# Altium PCB 10515.0462_全联供主板_V1.0.PcbDoc (part 5 of 5)
Units mm, origin at the board's own origin, x right, y up, seen from the top; angles counter-clockwise.
Board outline 141 x 198 mm, 2 copper layers (Top Layer, Bottom Layer); 179 components, 149 nets, 591 pads, 450 vias.
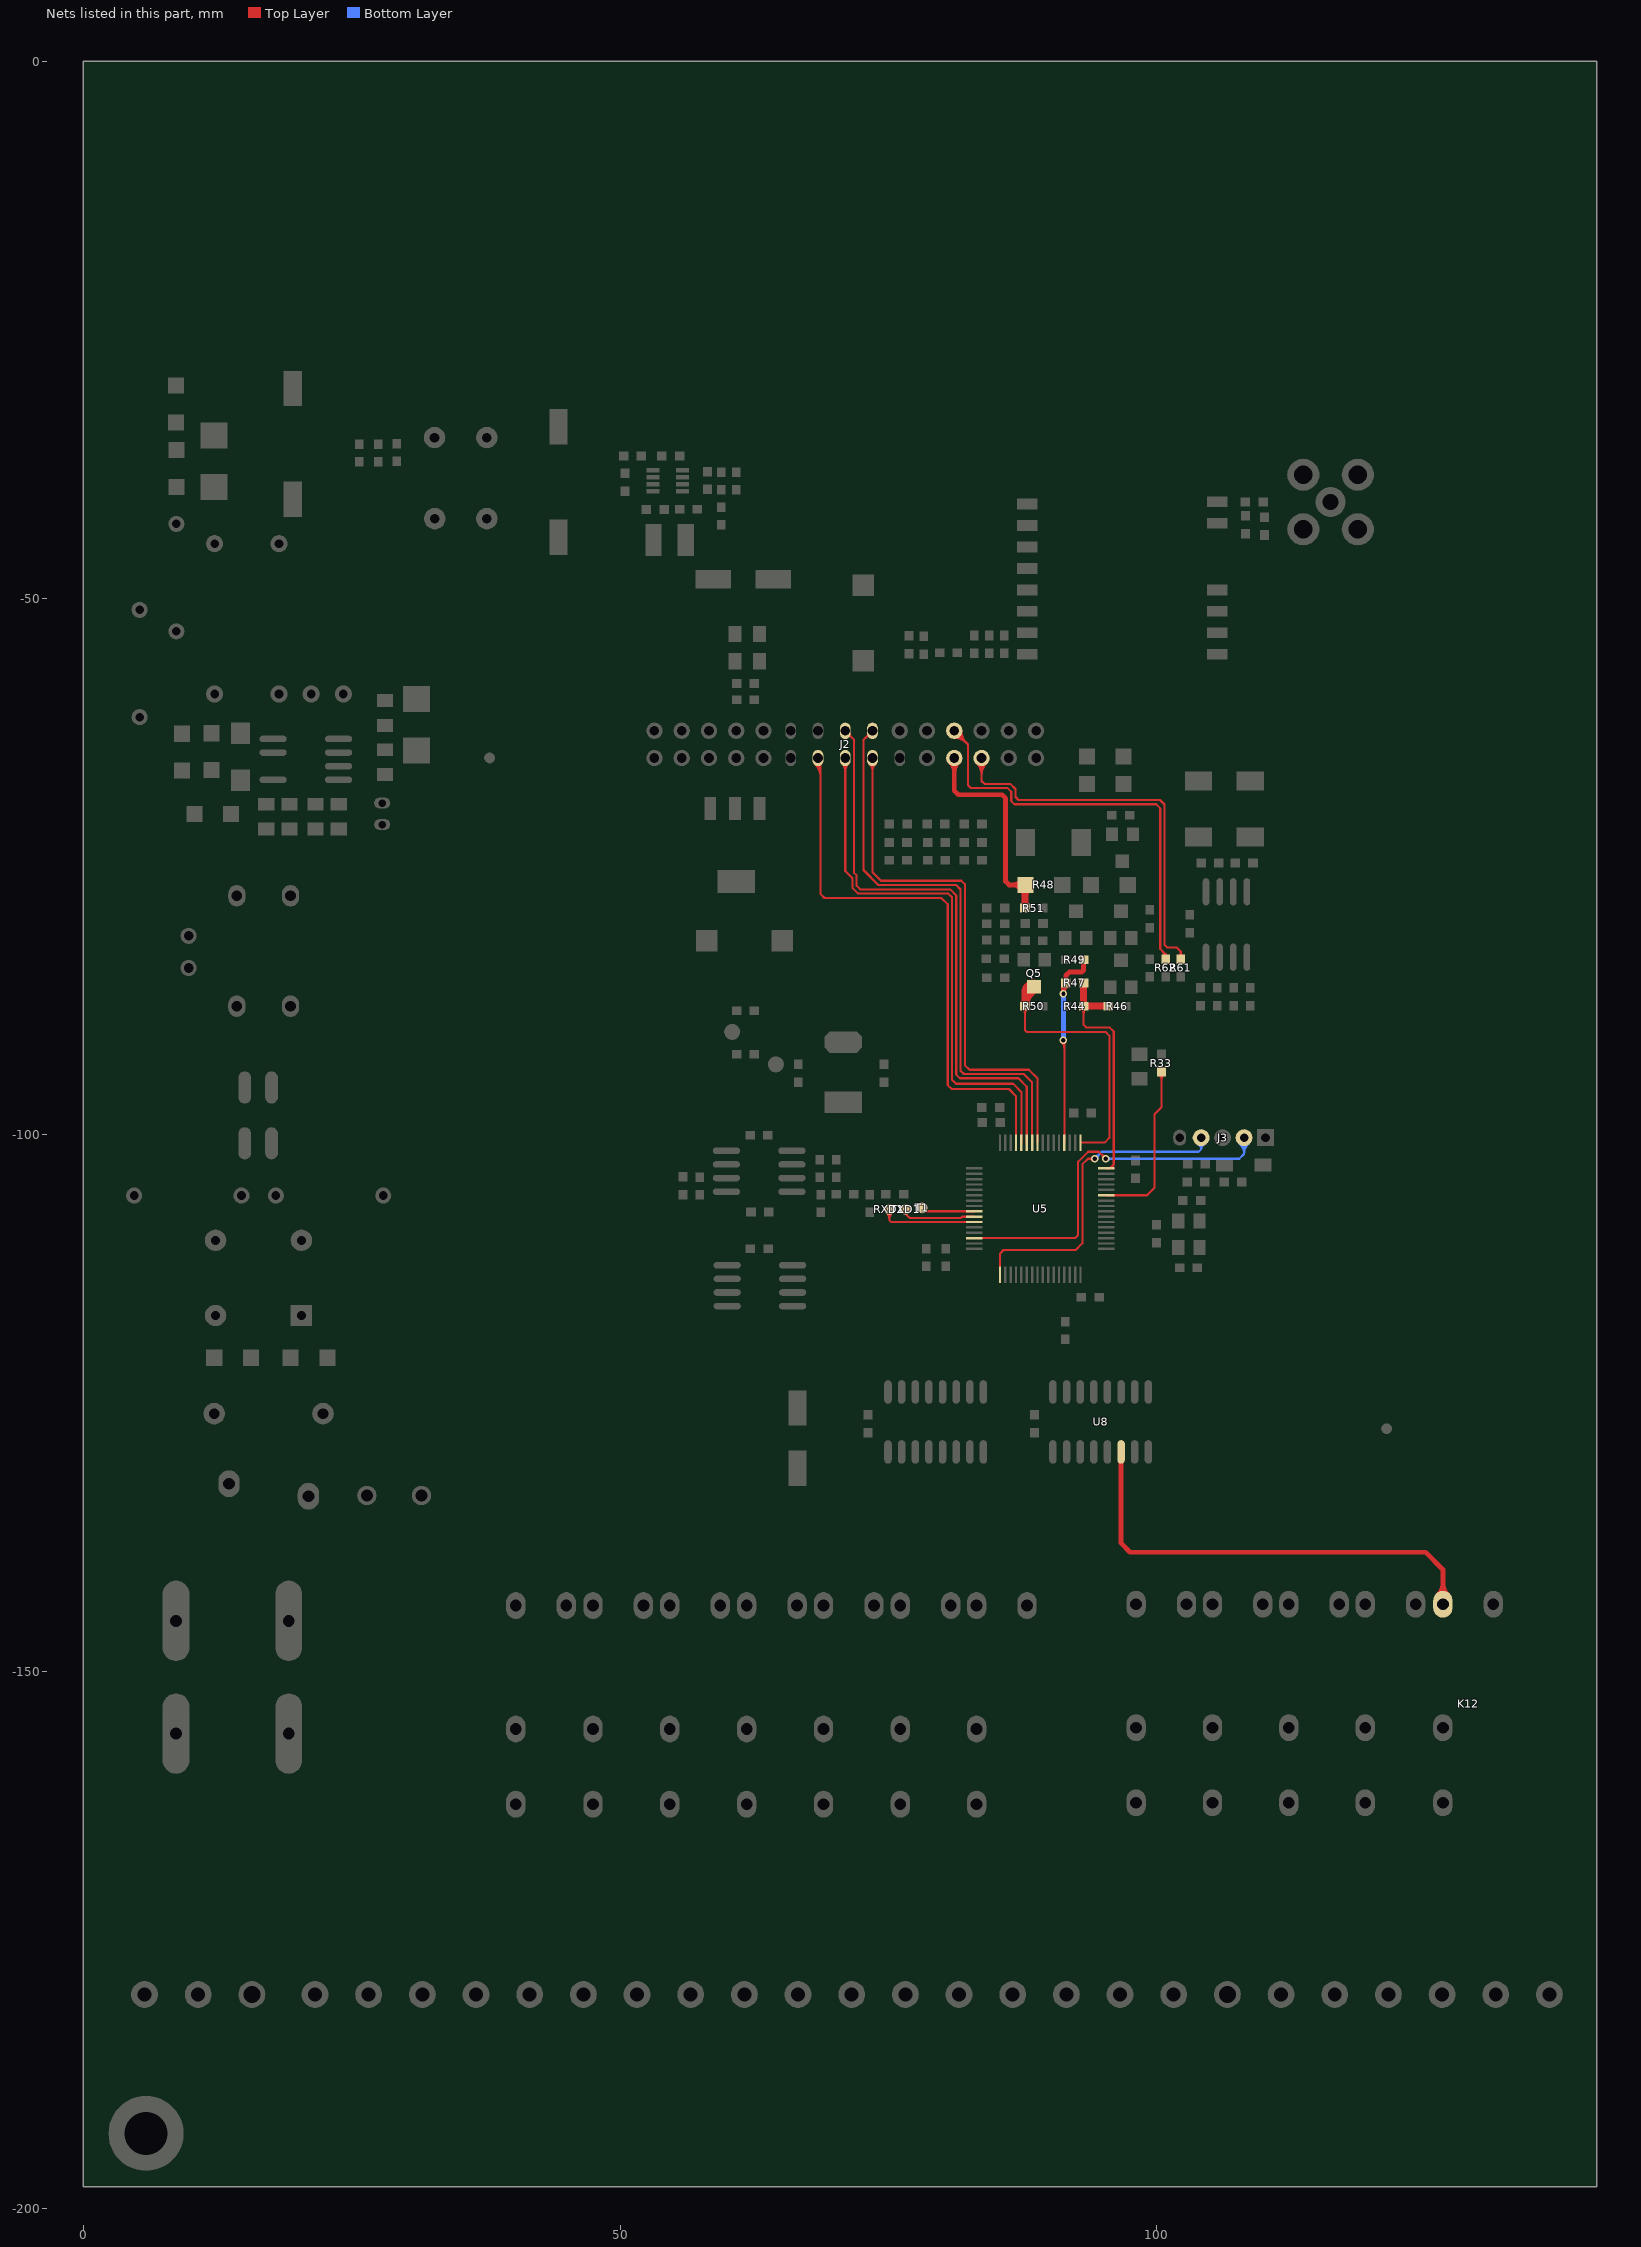
[diagram p5: the nets of this part, all layers, seen from the top]

## Via types
v1: diameter 0.7, hole 0.4, Top Layer to Bottom Layer, tented both sides, 450 vias

## Nets (pads, with @x,y where several pads share a name; then routed paths per layer and width w, separated by ;. In a path a pad name is that pad's centre, name@x,y a point inside that pad or via, vN(x,y) a via of type N, cw(c..) or ccw(c..) an arc to the next point about the centre after c; other vN are vias at no path point) (continued)
RUNLED: R33.1 U5.11 | length 17
  Top Layer w0.2: U5.11@95.293,-105.634 99.09,-105.634 99.803,-104.921 99.803,-98.063 100.437,-97.429 R33.1@100.437,-94.145 ; R33.1@100.22,-94.399 cw(c99.697,-94.922) 100.437,-94.922 cw(c101.177,-94.922) R33.1@100.654,-94.399
RXD1: RXD1.1 U5.43 | length 10.5
  Top Layer w0.2: RXD1.1@74.808,-107.228 cw(c74.125,-107.911) 75.091,-107.911 cw(c76.057,-107.911) RXD1.1@75.374,-107.228 ; RXD1.1@75.091,-106.945 75.091,-107.961 75.275,-108.145 82.982,-108.145 U5.43@82.993,-108.134
RXD2: Q5.3 R50.1 U5.17 | length 33.4
  Top Layer w0.2: R50.1@87.511,-88.239 cw(c86.988,-88.762) 87.727,-88.762 cw(c88.467,-88.762) R50.1@87.944,-88.239 ; R50.1@87.727,-88.022 87.727,-90.267 87.884,-90.424 95.25,-90.424 95.589,-90.763 95.589,-100.29 95.145,-100.734 U5.17@92.893,-100.734
  Top Layer w0.65: R50.1@87.727,-88.208 cw(c89.736,-88.208) Q5.3@88.725,-86.472 ; R50.1@87.727,-88.022 87.727,-87.046 Q5.3@88.569,-86.204 ; 87.727,-87.394 cw(c88.608,-87.394) Q5.3@88.579,-86.514 ; 87.727,-87.077 cw(c89.077,-87.077) Q5.3@88.398,-85.911 ; 87.727,-86.723 cw(c88.586,-86.723) Q5.3@88.558,-85.865 ; Q5.3@88.259,-86.204 cw(c87.51,-86.204) 88.04,-86.734 cw(c88.569,-87.263) Q5.3@88.569,-86.514
RXD4: J2.24 R62.2 | length 45.2
  Top Layer w0.2: J2.24@81.142,-63.03 cw(c81.142,-64.629) 82.272,-63.499 cw(c83.402,-62.368) J2.24@81.804,-62.368 ; J2.24@81.142,-62.83 cw(c81.142,-63.946) 81.931,-63.157 cw(c82.719,-62.368) J2.24@81.604,-62.368 ; J2.24@81.142,-62.368 82.423,-63.65 82.423,-67.437 82.696,-67.71 86.106,-67.71 86.444,-68.048 86.444,-68.918 86.741,-69.215 99.949,-69.215 100.33,-69.596 100.33,-82.677 100.838,-83.185 ; 100.429,-82.776 cw(c99.69,-83.515) R62.2@100.732,-83.595 ; 100.736,-83.083 cw(c100.261,-83.559) R62.2@100.931,-83.61 ; R62.2@100.746,-83.311 ccw(c100.706,-83.185) 100.838,-83.185 ; R62.2@100.838,-83.629 100.838,-83.185 ; R62.2@100.93,-83.311 cw(c100.97,-83.185) 100.838,-83.185
SW1: J2.17 U5.25 | length 51.3
  Top Layer w0.2: J2.17@73.239,-65.453 cw(c72.556,-66.136) 73.522,-66.136 cw(c74.488,-66.136) J2.17@73.805,-65.453 ; J2.17@73.522,-64.908 73.522,-75.554 74.306,-76.338 81.799,-76.338 82.124,-76.663 82.124,-93.516 82.55,-93.942 88.081,-93.942 88.893,-94.753 U5.25@88.893,-100.734
SW2: J2.18 U5.26 | length 53.7
  Top Layer w0.2: 72.833,-63.057 cw(c73.399,-63.623) J2.18@73.497,-62.829 ; 73.024,-62.866 ccw(c72.789,-62.63) J2.18@73.122,-62.63 ; J2.18@73.522,-62.368 72.674,-63.216 72.674,-75.341 74.071,-76.738 81.31,-76.738 81.724,-77.152 81.724,-94.024 82.042,-94.342 87.6,-94.342 88.393,-95.134 U5.26@88.393,-100.734
SW3: J2.15 U5.28 | length 52.2
  Top Layer w0.2: J2.15@70.699,-65.453 cw(c70.016,-66.136) 70.982,-66.136 cw(c71.948,-66.136) J2.15@71.265,-65.453 ; J2.15@70.982,-64.908 70.982,-75.427 71.643,-76.088 71.643,-76.977 72.204,-77.538 80.586,-77.538 80.924,-77.876 80.924,-94.869 81.305,-95.25 86.619,-95.25 87.393,-96.023 U5.28@87.393,-100.734
SW4: J2.16 U5.27 | length 54.4
  Top Layer w0.2: J2.16@70.982,-62.368 71.782,-63.168 71.782,-75.58 72.043,-75.841 72.043,-76.811 72.37,-77.138 80.752,-77.138 81.324,-77.71 81.324,-94.405 81.661,-94.742 87.119,-94.742 87.893,-95.515 U5.27@87.893,-100.734 ; J2.16@71.016,-62.828 cw(c71.136,-63.53) 71.639,-63.026 ; J2.16@71.382,-62.63 ccw(c71.715,-62.63) 71.479,-62.866
SW5: J2.13 U5.29 | length 56.1
  Top Layer w0.2: J2.13@68.159,-65.453 cw(c66.872,-66.74) 68.692,-66.74 ; J2.13@68.3,-65.312 cw(c67.355,-66.257) 68.692,-66.257 ; J2.13@68.442,-65.17 cw(c67.838,-65.774) 68.692,-65.774 ; J2.13@68.442,-64.908 68.692,-65.159 68.692,-77.582 69.048,-77.938 79.935,-77.938 80.524,-78.527 80.524,-95.377 80.534,-95.377 80.899,-95.742 86.23,-95.742 86.893,-96.404 U5.29@86.893,-100.734
SWCLK: J3.4 U5.49 | length 33
  Top Layer w0.2: U5.49@85.393,-113.034 85.393,-111.076 85.725,-110.744 92.456,-110.744 93.076,-110.124 93.076,-102.758 93.599,-102.235 v1(94.234,-102.235) ; v1@94.057,-102.412 ccw(c93.63,-102.839) 93.63,-102.235 ccw(c93.63,-101.631) v1@94.057,-102.058
  Bottom Layer w0.2: v1(94.234,-102.235) 94.884,-101.585 103.901,-101.585 104.136,-101.35 ; v1@94.234,-101.985 ccw(c94.234,-101.381) 94.661,-101.808 ccw(c95.088,-102.235) v1@94.484,-102.235 ; J3.4@103.846,-100.894 cw(c103.633,-101.35) 104.136,-101.35 ; J3.4@104.136,-100.398 104.136,-101.35 ; J3.4@104.426,-100.894 ccw(c104.639,-101.35) 104.136,-101.35
SWDIO: J3.2 U5.46 | length 39.8
  Top Layer w0.2: U5.46@82.993,-109.634 92.389,-109.634 92.676,-109.347 92.676,-102.523 93.614,-101.585 94.6,-101.585 v1(95.25,-102.235) ; v1@95,-102.235 ccw(c94.396,-102.235) 94.823,-101.808 ccw(c95.25,-101.381) v1@95.25,-101.985
  Bottom Layer w0.2: v1@95.427,-102.412 cw(c95.854,-102.839) 95.854,-102.235 cw(c95.854,-101.631) v1@95.427,-102.058 ; v1@95.534,-102.235 107.696,-102.235 108.136,-101.795 ; J3.2@107.681,-100.787 cw(c106.791,-101.795) 108.136,-101.795 ; J3.2@107.813,-100.637 cw(c107.182,-101.352) 108.136,-101.352 cw(c109.089,-101.352) J3.2@108.458,-100.637 ; J3.2@108.136,-100.398 108.136,-101.795 ; J3.2@108.591,-100.787 ccw(c109.481,-101.795) 108.136,-101.795
TEST: T1.1 U5.41 | length 4.7
  Top Layer w0.2: T1.1@78.328,-107.134 U5.41@82.993,-107.134
TRCTL2: R47.2 R49.2 U5.20 | length 21.9
  Top Layer w0.2: v1@91.123,-91.363 cw(c90.472,-92.014) 91.393,-92.014 ; v1@91.265,-91.221 cw(c90.955,-91.531) 91.393,-91.531 ; U5.20@91.393,-100.734 v1@91.393,-91.279 ; 91.393,-91.565 cw(c91.679,-91.565) v1@91.477,-91.363 ; R47.2@91.393,-85.863 R47.2@91.393,-85.754
  Top Layer w0.45: v1(91.313,-86.868) 91.313,-86.088 R47.2@91.537,-85.863 91.537,-85.165 91.855,-84.847 92.998,-84.847 93.188,-84.657 R49.2@93.188,-83.704 ; v1@91.313,-86.751 cw(c92.387,-86.751) R47.2@91.628,-85.992 ; R47.2@91.409,-85.735 ccw(c91.099,-85.425) 91.537,-85.425 ccw(c91.975,-85.425) R47.2@91.666,-85.735 ; R49.2@93.06,-83.833 cw(c92.75,-84.142) 93.188,-84.142 cw(c93.626,-84.142) R49.2@93.317,-83.833
  Bottom Layer w0.45: v1(91.3,-91.186) v1@91.3,-86.926
TXD1: TXD1.1 U5.42 | length 7
  Top Layer w0.2: TXD1.1@76.615,-106.945 76.615,-107.398 76.962,-107.745 81.739,-107.745 81.85,-107.634 U5.42@82.993,-107.634
TXD2: R44.2 R46.2 R47.1 U5.16 | length 24
  Top Layer w0.2: R44.2@92.972,-88.239 cw(c92.449,-88.762) 93.188,-88.762 cw(c93.928,-88.762) R44.2@93.405,-88.239 ; R44.2@93.188,-88.022 93.188,-89.759 93.453,-90.024 95.631,-90.024 95.989,-90.382 95.989,-102.754 ; U5.16@95.293,-103.134 95.609,-103.134 95.989,-102.754 ; U5.16@95.966,-103.128 cw(c96.189,-102.954) 95.989,-102.754
  Top Layer w0.65: R47.1@93.188,-85.863 R44.2@93.188,-88.022 R46.2@95.474,-88.022
TXD4: J2.25 R61.2 | length 41.3
  Top Layer w0.2: J2.25@83.214,-65.377 cw(c82.084,-66.507) 83.682,-66.507 cw(c85.28,-66.507) J2.25@84.15,-65.377 ; J2.25@83.355,-65.235 cw(c82.567,-66.024) 83.682,-66.024 cw(c84.797,-66.024) J2.25@84.009,-65.235 ; J2.25@83.682,-64.908 83.682,-67.045 83.947,-67.31 86.366,-67.31 86.848,-67.792 86.848,-68.541 87.122,-68.815 100.311,-68.815 100.73,-69.234 100.73,-69.977 100.73,-82.315 100.965,-82.55 101.854,-82.55 102.235,-82.931 ; R61.2@102.034,-83.371 ccw(c101.652,-82.931) 102.235,-82.931 ; R61.2@102.235,-83.629 102.235,-82.931 ; R61.2@102.436,-83.371 cw(c102.818,-82.931) 102.235,-82.931
UART: J2.23 R48.1 R51.2 | length 25.6
  Top Layer w0.45: J2.23@80.762,-65.288 cw(c79.845,-66.205) 81.142,-66.205 cw(c82.438,-66.205) J2.23@81.522,-65.288 ; J2.23@81.142,-64.908 81.142,-67.934 81.534,-68.326 85.598,-68.326 85.919,-68.647 85.919,-76.394 86.244,-76.719 R48.1@87.771,-76.719 R48.1@87.771,-76.763 ; R48.1@87.4,-77.091 ccw(c86.504,-77.987) 86.504,-76.719 ccw(c86.504,-75.452) R48.1@87.4,-76.348
  Top Layer w0.65: R48.1@87.471,-77.02 cw(c86.851,-77.639) 87.727,-77.639 ; R51.2@87.727,-78.878 R48.1@87.727,-76.763 ; 87.727,-77.851 cw(c88.903,-77.851) R48.1@88.072,-77.02
WARMOUT: K12.4 U8.14 | length 45.2
  Top Layer w0.45: U8.14@96.681,-129.678 96.681,-135.774 96.681,-138.06 97.51,-138.889 125.046,-138.889 126.659,-140.502 K12.4@126.659,-143.738 ; K12.4@126.182,-142.911 ccw(c125.029,-141.758) 126.659,-141.758 ccw(c128.288,-141.758) K12.4@127.136,-142.911
pads on no net: U1.2 U4.3 U4.4 U4.6 U5.30 U8.1 U8.2 U8.15 U8.16

## Polygon pours and split planes (outlines as drawn)
GND on Top Layer "Top Layer-No Net" (hatched 90Degree grid 0.508 track 0.508, remove dead copper, pour order 1001): 47.117,-38.391 47.117,-38.1 47.625,-37.592 50.419,-34.798 58.547,-34.798 64.008,-34.798 64.897,-35.687 65.786,-36.576 65.786,-42.926 65.786,-52.451 63.881,-54.356 63.373,-54.864 63.373,-58.674 63.373,-61.302 63.362,-61.313 62.855,-60.807 50.953,-60.807 50.953,-40.031 50.292,-39.37 47.117,-39.37 47.099,-39.352 47.099,-38.245
GND on Top Layer "Top Layer-No Net" (hatched 90Degree grid 0.508 track 0.508, remove dead copper, pour order 1000): 121.92,-32.766 67.437,-32.766 66.802,-33.401 66.802,-53.34 64.389,-55.753 64.389,-60.198 64.008,-60.579 51.181,-60.579 50.8,-60.96 50.8,-122.047 52.07,-123.317 113.919,-123.063 115.316,-121.666 115.316,-63.119 113.411,-61.214 110.49,-61.214 109.982,-60.706 109.982,-47.117 110.744,-46.355 121.158,-46.355 122.555,-44.958 122.555,-33.401
GND on Bottom Layer "Top Layer-No Net" (hatched 90Degree grid 0.508 track 0.508, remove dead copper, pour order 1003): 47.117,-38.391 47.117,-38.1 47.625,-37.592 50.419,-34.798 58.547,-34.798 64.008,-34.798 64.897,-35.687 65.786,-36.576 65.786,-42.926 65.786,-52.451 63.881,-54.356 63.373,-54.864 63.373,-58.674 63.373,-61.302 63.362,-61.313 62.855,-60.807 50.953,-60.807 50.953,-40.031 50.292,-39.37 47.117,-39.37 47.099,-39.352 47.099,-38.245
GND on Bottom Layer "Top Layer-No Net" (hatched 90Degree grid 0.508 track 0.508, remove dead copper, pour order 1002): 121.92,-32.766 67.437,-32.766 67.056,-33.147 67.056,-53.086 64.389,-55.753 64.389,-60.198 64.008,-60.579 51.181,-60.579 50.8,-60.96 50.8,-121.92 52.07,-123.19 114.046,-123.19 115.316,-121.92 115.316,-63.119 113.411,-61.214 110.49,-61.214 109.982,-60.706 109.982,-47.117 110.744,-46.355 121.158,-46.355 122.555,-44.958 122.555,-33.401

## Keep-outs
Keep-Out Layer:
  circle w0.127: c127,-5 r2
  circle w0.127: c128.016,-193 r2
  circle w0.127: c14,-5 r2
  pour cut-out: 52.578,-46.482 55.499,-46.482 55.499,-42.545 54.991,-42.037 53.467,-42.037 52.959,-42.545 52.959,-46.101
  lines w0.127: 0,-198 0,-187 0,-11 0,0 141,0 141,-11 141,-187 141,-198 0,-198
  lines w1.2: 3.429,-49.149 9.398,-49.149 14.097,-53.848 31.75,-53.848 34.925,-57.023 34.925,-68.834 ; 8.255,-183.261 8.255,-175.006 ; 16.256,-103.632 16.256,-97.79 ; 17.145,-124.841 17.145,-133.985 21.463,-138.303 ; 24.003,-184.15 24.003,-177.546 37.592,-163.957 37.592,-161.417 41.084,-157.924
  lines w1.7: 4.572,-150.622 33.274,-150.622 ; 4.826,-153.924 4.826,-165.227 13.208,-173.609 13.208,-182.626
  lines w3: 13.97,-150.368 13.97,-139.827

## Other copper
Top Layer:
  rectangle net GND: 65.278,-50.546 66.04,-46.583
  rectangle net GND: 50.691,-41.402 51.562,-40.232
  rectangle net GND: 105.283,-43.053 106.172,-42.037
  rectangle net GND: 106.68,-44.001 107.569,-42.164
  rectangle net GND: 104.097,-42.418 107.569,-41.783
  rectangle net GND: 104.14,-43.688 104.394,-40.132
  rectangle net GND: 103.97,-40.259 112.268,-39.919
  rectangle net GND: 110.966,-43.595 111.76,-42.731
  rectangle net GND: 103.612,-44.323 111.252,-43.595
  pour cut-out: 48.514,-35.052 48.514,-37.338 47.879,-37.338 47.879,-35.687
  pour cut-out: 82.296,-69.342 84.582,-69.342 84.963,-69.723 84.963,-70.866 83.911,-70.866 83.722,-71.054 83.153,-70.485 82.071,-70.485 82.071,-69.567
  pour cut-out: 102.997,-84.582 104.14,-84.582 104.14,-82.042 103.632,-81.534 102.235,-81.534 102.235,-83.82
  pour cut-out: 85.775,-83.6 88.045,-83.6 88.773,-84.328 88.773,-84.836 86.995,-86.614 85.725,-86.614 85.344,-86.233 85.822,-85.755 85.822,-83.552
  pour cut-out: 90.932,-81.661 95.885,-81.661 96.52,-81.026 96.52,-72.136 95.377,-70.993 90.678,-70.993 90.424,-71.247 90.424,-81.153
  pour cut-out: 57.404,-80.899 57.658,-81.153 62.992,-75.819 62.992,-75.438 62.611,-75.057 62.611,-64.981 58.123,-69.469 57.404,-69.469
  pour cut-out: 72.136,-50.038 71.501,-50.673 71.501,-54.61 72.009,-54.61 72.136,-54.483
  pour cut-out: 84.533,-53.364 84.654,-53.243 87.249,-53.243 87.249,-51.308 87.122,-51.181 85.598,-51.181 84.533,-52.246
  pour cut-out: 62.103,-57.531 62.103,-60.238 62.611,-60.746 62.611,-69.215 62.484,-69.342 62.103,-69.342 61.468,-68.707 61.468,-58.166
  pour cut-out: 106.426,-105.156 106.426,-113.538 106.807,-113.538 106.934,-113.411 107.061,-113.411 107.168,-109.347 107.188,-105.283 106.934,-105.283 106.807,-105.156
  pour cut-out: 88.773,-70.993 92.329,-70.993 92.583,-71.247 92.583,-77.216 91.44,-78.359 88.519,-78.359 88.392,-78.232 88.392,-71.374
  pour cut-out: 98.552,-81.28 99.822,-81.28 100.33,-81.788 100.33,-82.55 100.076,-82.804 98.933,-82.804 98.552,-82.423
  pour cut-out: 93.853,-83.058 94.996,-83.058 95.504,-83.566 95.504,-84.963 95.123,-85.344 93.98,-85.344 93.726,-85.09 93.726,-83.185
  pour cut-out: 74.549,-60.071 90.297,-60.071 90.551,-60.325 90.551,-61.849 90.424,-61.976 74.803,-61.976 74.549,-61.722
  pour cut-out: 96.901,-85.979 97.917,-85.979 98.933,-84.963 98.933,-84.836 98.298,-84.201 97.282,-84.201 96.901,-84.582
  pour cut-out: 61.722,-92.583 61.722,-93.98 62.484,-94.742 64.135,-94.742 64.262,-94.615 64.135,-94.615 61.976,-92.456 61.849,-92.583
Bottom Layer:
  rectangle net GND: 62.738,-60.807 64.77,-59.563
  pour cut-out: 48.514,-35.052 48.514,-37.338 47.879,-37.338 47.879,-35.56 48.006,-35.56
  pour cut-out: 95.123,-110.49 99.796,-115.163 102.997,-115.163 105.953,-115.154 106.553,-114.554 106.553,-105.664 105.537,-104.648 99.842,-104.648 95.651,-108.839 95.123,-108.839 95.123,-108.077 99.187,-104.013 105.918,-104.013 107.315,-105.537 107.315,-115.57 106.934,-115.951 103.251,-115.951 99.568,-115.951 94.996,-111.379 95.123,-111.252
  pour cut-out: 56.896,-65.405 58.547,-67.056 90.043,-67.056 90.297,-66.802 90.297,-62.23 88.874,-60.807 82.305,-60.807 81.696,-60.198 81.534,-60.198 80.391,-61.341 57.404,-61.341 56.896,-61.849

## Silkscreen, mask and mechanical layers (free items; w line width, h text height)
Top Overlay:
  drawing of 717 lines, arcs and shapes, not listed
  text "10515.0462_全联供主板_V1.0" at 54.228,-26.87 h3.5
  text "20200526H1.6Sn" at 59.69,-30.353 h3.5
  text "PE" at 3.429,-189.23 h3
  text "N1" at 20.574,-189.23 h3
  text "L1" at 25.146,-189.23 h3
  text "L" at 15.113,-189.357 h3
  text "N" at 9.779,-189.484 h3
  text "水泵" at 21.463,-192.405 h3
  text "外机联动开关" at 109.601,-193.802 h2
  text "制热开关" at 130.971,-193.816 h2
  text "执行器1" at 27.813,-194.31 h3
  text "执行器2" at 38.009,-194.31 h3
  text "执行器3" at 48.206,-194.31 h3
  text "执行器4" at 58.402,-194.31 h3
  text "执行器5" at 68.598,-194.31 h3
  text "执行器6" at 78.794,-194.31 h3
  text "执行器7" at 88.991,-194.31 h3
  text "执行器8" at 99.187,-194.31 h3
  text "制冷开关" at 120.777,-196.977 h2
Bottom Overlay:
  rectangle: 15.748,-97.155 16.764,-94.361
  lines w0.127: 0,-187 141,-187 ; 0,-11 141,-11

## Text inside footprints (layer, text, board x,y; h text height)
EC9: Top Overlay "+" at 71.095,-98.381 h1.6 r180
SW1: Top Overlay "I" at 28.829,-134.874 h3 r270; Top Overlay "O" at 7.747,-133.985 h3 r270